# Allegro board trx_layout.brd (continued)
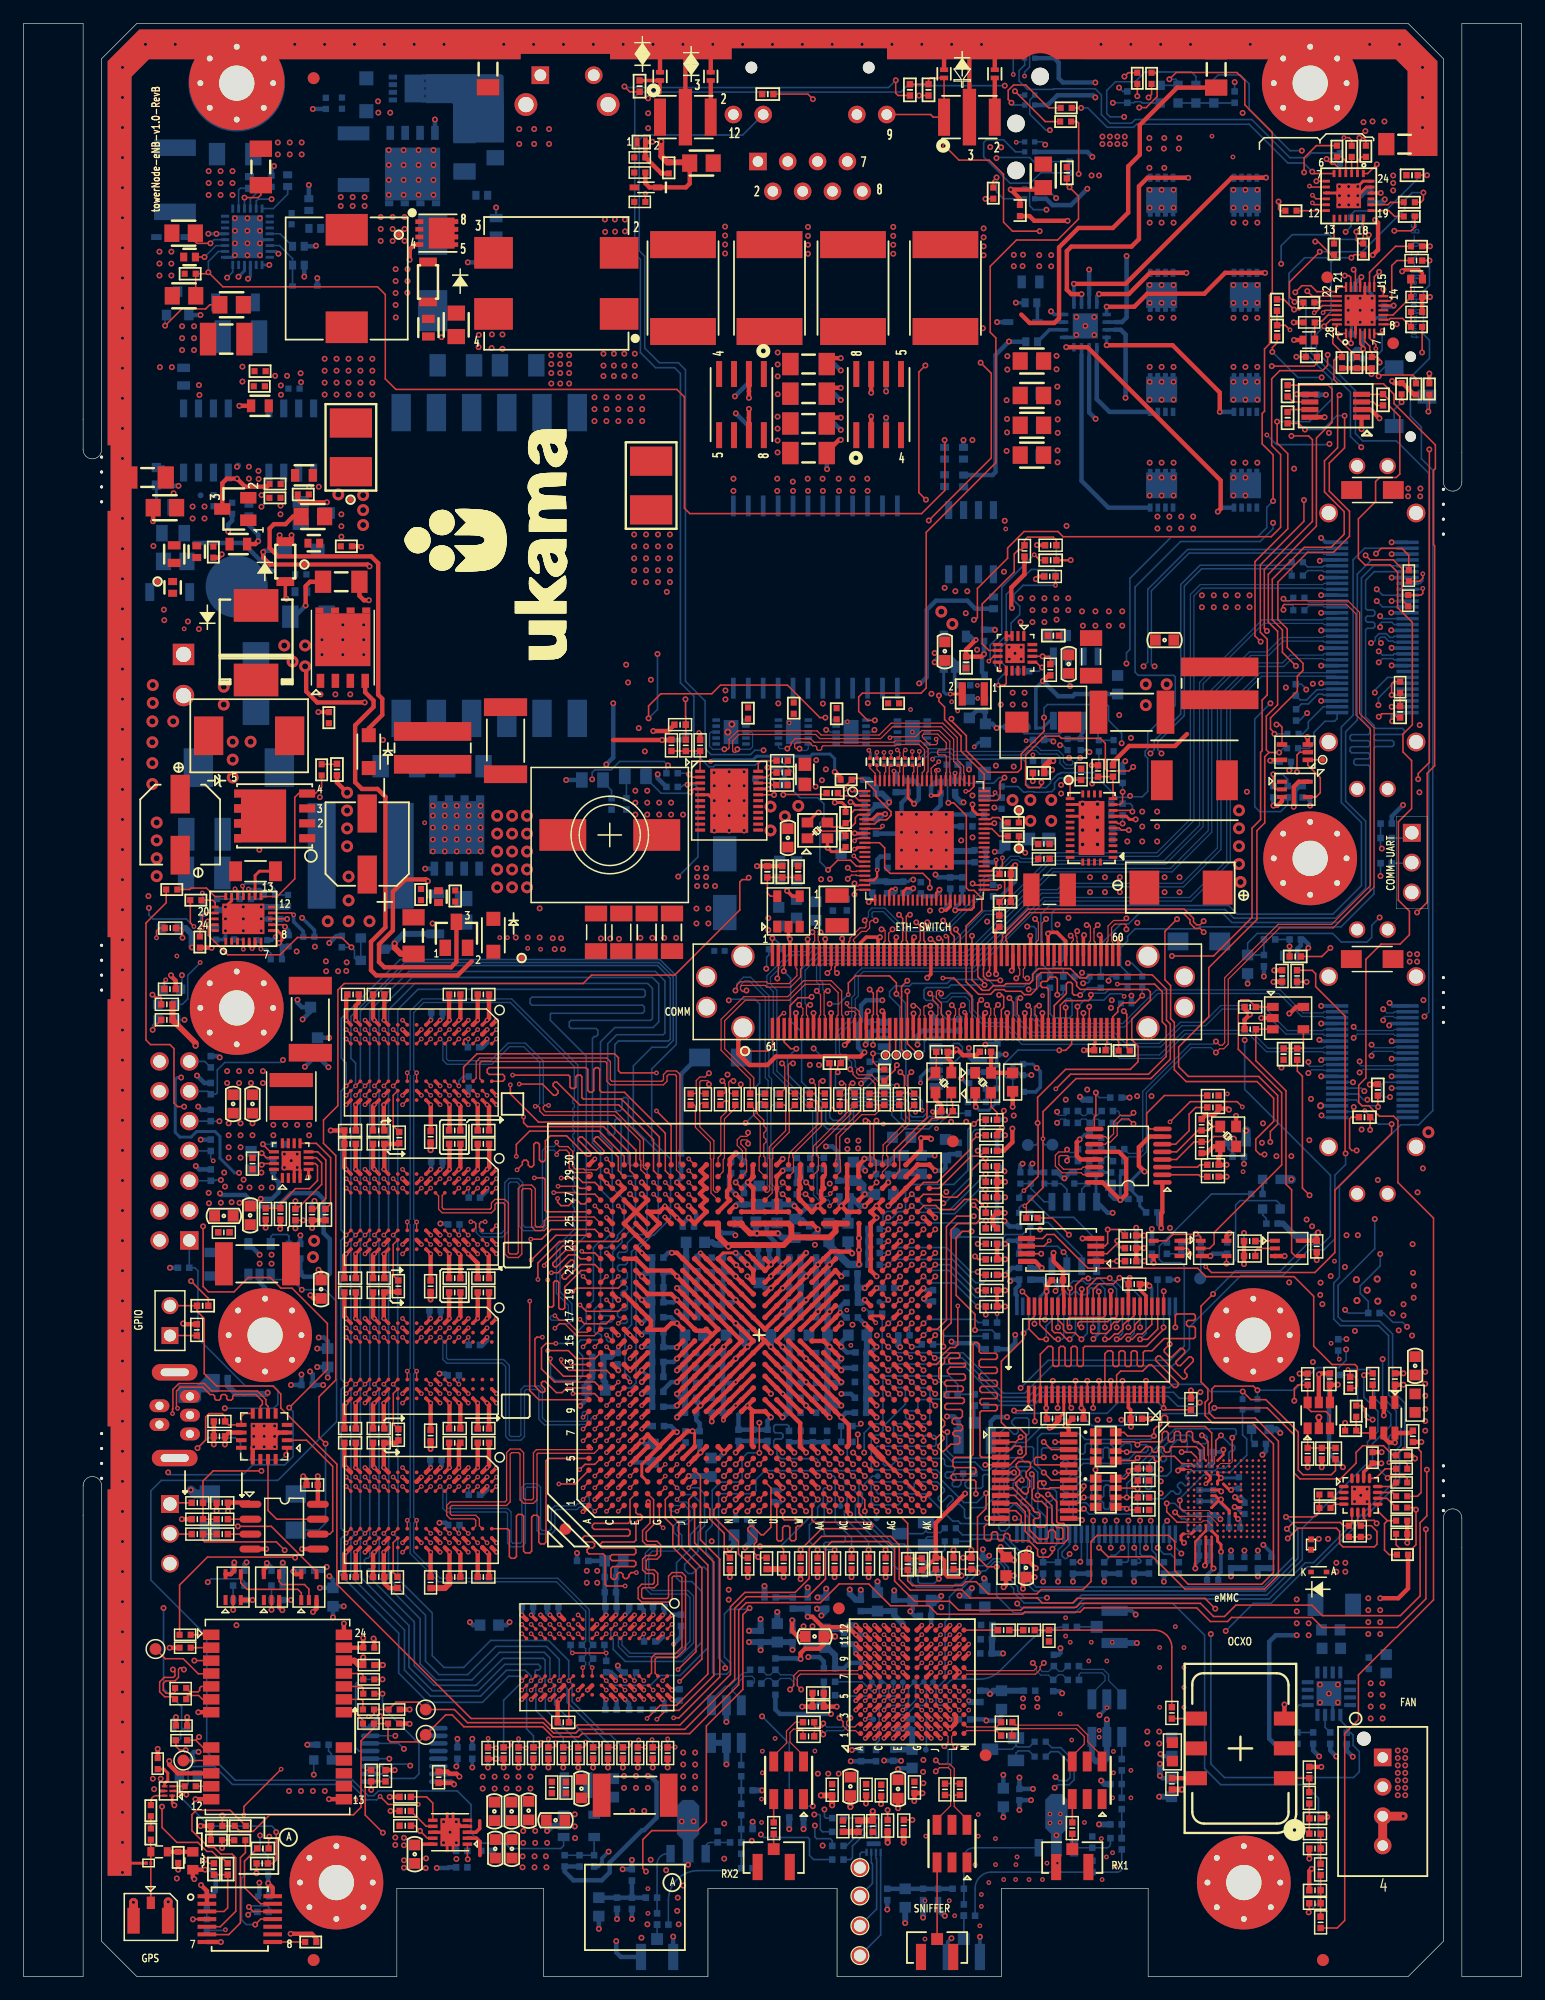
[diagram p0: board, top side]
## Routing (per net, layer and track width the routed paths; a pad name or vN(x,y) marks a point on that pad's centre or on a via; arc(x,y) is an arc through that point) (continued)
7130_DDR3_A7: length 162.6
  TOP w0.137: U35.R2 v2(43.24,29.98) ; v2(44.66,53.29) 46.41,53.29 47.09,52.61 48.67,52.61 U1.B14 ; U15.R2 v2(28.29,67.93) ; U30.R2 v2(28.29,42.53) ; U11.R2 v2(28.29,80.63) ; U23.R2 v2(28.29,55.23)
  L3-SIGNAL w0.127: v2(42.17,20.25) 42.83,20.91 42.83,29.57 v2(43.24,29.98) 42.83,30.4 42.83,31.22 42.58,31.47 30.13,31.47 27.91,33.69 27.91,42.15 v2(28.29,42.53) 27.87,42.95 27.87,54.81 v2(28.29,55.23) 27.87,55.65 27.87,67.51 v2(28.29,67.93) 27.87,68.35 27.87,80.21 v2(28.29,80.63) 27.87,81.05 27.87,82.22 31.61,85.96 49.98,85.96 51.48,84.46 51.48,84.28 51.28,84.08 51.1,84.08 50.02,85.15 49.81,85.15 49.66,85.01 49.66,84.75 55.32,79.1 55.32,71.82 57.16,69.98 57.16,64.34 56.48,63.67 53.97,63.67 52.13,61.83 52.13,52.29 51.95,52.11 50.43,52.11 49.98,51.67 46.05,51.67 45.41,52.3 45.41,53.04 45.16,53.29 v2(44.66,53.29)
  BOTTOM w0.127: R462.1 v2(42.17,20.25)
7130_DDR3_A8: length 157.5
  TOP w0.119: R217.1 41.41,19.51 41.53,19.63 v2(41.53,19.91)
  TOP w0.137: U30.T8 v2(27.49,36.93) ; U35.T8 v2(42.44,24.38) ; U1.A15 v2(47.67,53.61) ; U23.T8 v2(27.49,49.63) ; U15.T8 v2(27.49,62.33) ; U11.T8 v2(27.49,75.03)
  L6-SIGNAL w0.127: v2(47.67,53.61) 48.78,54.72 48.78,59.77 47.06,61.48 47.06,61.91 47.36,62.21 48.01,62.21 49.08,61.14 57.89,61.14 58.38,61.62 58.38,62.44 59.9,63.96 59.9,72.19 58.52,73.57 55.39,73.57 42.69,86.27 31.19,86.27 27.08,82.17 27.08,80.48 27.33,80.24 27.62,80.24 27.87,79.99 27.87,77.4 27.08,76.61 27.08,75.44 v2(27.49,75.03) 27.06,74.6 27.06,67.77 27.29,67.54 27.62,67.54 27.9,67.26 27.9,64.87 27.06,64.04 27.06,62.76 v2(27.49,62.33) 27.06,61.9 27.06,55.04 27.29,54.82 27.67,54.82 27.9,54.59 27.9,52.53 27.06,51.69 27.06,50.06 v2(27.49,49.63) 27.06,49.2 27.06,42.37 27.29,42.14 27.67,42.14 27.87,41.94 27.87,40.62 27.08,39.83 27.08,37.34 v2(27.49,36.93) 27.11,36.55 27.11,35.87 33.38,29.59 42.6,29.59 42.83,29.36 42.83,26.62 42.04,25.83 42.04,24.79 v2(42.44,24.38) 41.53,23.47 v2(41.53,19.91)
7130_DDR3_A9: length 162.2
  TOP w0.119: v2(42.81,19.47) 42.77,19.51 R218.1
  TOP w0.137: v2(28.29,67.13) 28.69,66.73 U15.R3 ; U30.R3 28.69,41.33 v2(28.29,41.73) ; v2(45.8,52.53) 45.8,52.26 46.44,51.62 49.67,51.62 U1.C12 ; U11.R3 28.69,79.43 v2(28.29,79.83) ; U23.R3 28.69,54.03 v2(28.29,54.43) ; U35.R3 v2(43.24,29.18)
  L6-SIGNAL w0.127: v2(42.81,19.47) 42.81,23.07 42.86,23.12 42.86,25.94 43.24,26.33 v2(43.24,29.18) 43.24,29.41 42.83,29.82 42.83,31.22 42.58,31.47 32.27,31.47 27.9,35.84 27.9,38.97 28.29,39.36 v2(28.29,41.73) 28.29,41.99 27.87,42.41 27.87,50.99 28.29,51.41 v2(28.29,54.43) 28.29,54.7 27.87,55.12 27.87,63.62 28.29,64.04 v2(28.29,67.13) 28.29,67.39 27.9,67.78 27.9,76.21 28.29,76.61 v2(28.29,79.83) 28.29,80.05 27.9,80.44 27.9,82.4 31.26,85.77 42.59,85.77 53.45,74.91 53.45,74.73 53.32,74.6 53.14,74.6 51.95,75.8 51.77,75.8 51.65,75.67 51.65,75.49 52.95,74.19 54.17,74.19 55.29,73.07 58.49,73.07 59.6,71.96 59.6,64.19 57.54,62.13 48.62,62.13 48.24,62.51 47.18,62.51 46.72,62.05 46.72,61.29 48.39,59.62 48.39,55.12 v2(45.8,52.53)
7130_DDR3_A10: length 159.5
  TOP w0.137: U23.L7 v2(31.49,50.43) ; U35.L7 v2(46.44,25.18) ; U11.L7 v2(31.49,75.83) ; v2(31.49,63.13) U15.L7 ; U30.L7 v2(31.49,37.73) ; U1.A20 v2(47.67,59.61)
  BOTTOM w0.137: v2(47.67,59.61) 46.95,60.34 46.95,62.13 47.94,63.12 47.94,78.36 44.88,81.41 44.88,81.94 44.97,82.02 52.74,82.02 52.89,82.17 52.89,82.55 52.74,82.7 43.31,82.7 43.16,82.86 43.16,83.24 43.31,83.39 52.81,83.39 52.97,83.54 52.97,83.9 52.81,84.05 33.6,84.05 31.88,82.34 31.88,76.22 v2(31.49,75.83) 31.88,75.44 31.88,63.51 v2(31.49,63.13) 31.87,62.75 31.87,50.81 v2(31.49,50.43) 31.9,50.02 31.9,38.14 v2(31.49,37.73) 31.88,37.33 31.88,33.89 34.82,30.95 34.82,27.32 35.82,26.32 37.5,26.32 39.8,28.62 44.72,28.62 46.44,26.9 v2(46.44,25.18) 46.74,24.89 46.74,23.42 49.53,20.62 49.94,20.62 R455.1
7130_DDR3_A11: length 150.4
  TOP w0.137: v2(28.29,63.13) U15.R7 ; U11.R7 v2(28.29,75.83) ; U35.R7 v2(43.24,25.19) ; U1.D12 v2(51.67,50.61) ; U30.R7 v2(28.29,37.73) ; U23.R7 v2(28.29,50.43)
  BOTTOM w0.137: R461.1 43.44,20.49 42.86,21.1 42.86,24.8 42.97,24.91 v2(43.24,25.19) 43.24,25.57 42.74,26.08 41.14,26.08 38.95,23.88 34.67,23.88 32.46,26.09 32.46,29.5 27.89,34.07 27.89,37.32 28.05,37.49 v2(28.29,37.73) 27.9,38.12 27.9,50.03 v2(28.29,50.43) 27.89,50.83 27.89,62.73 v2(28.29,63.13) 27.88,63.54 27.88,75.42 v2(28.29,75.83) 28.29,77.78 27.89,78.18 27.89,81.75 32.48,86.34 54.11,86.34 55.35,85.1 55.35,79.7 54.77,79.12 53.53,79.12 51.95,77.54 51.95,72.29 54.07,70.17 54.07,64 51.8,61.72 51.8,55.5 51.23,54.94 51.23,51.41 51.67,50.98 v2(51.67,50.61)
7130_DDR3_A12: length 158.9
  TOP w0.137: U35.N7 v2(44.84,25.19) ; v2(29.89,63.13) U15.N7 ; U23.N7 v2(29.89,50.43) ; U11.N7 v2(29.89,75.83) ; v2(44.89,52.61) 44.89,52.22 46,51.11 U1.A12 ; U30.N7 v2(29.89,37.73)
  BOTTOM w0.137: R457.1 48.52,19.88 45.25,23.16 45.25,24.79 v2(44.84,25.19) 44.84,27.12 44.37,27.6 40.55,27.6 38.2,25.25 35.16,25.25 33.79,26.62 33.79,30.46 30.3,33.95 30.3,37.32 v2(29.89,37.73) 30.28,38.12 30.28,50.04 v2(29.89,50.43) 30.28,50.82 30.28,62.74 v2(29.89,63.13) 30.29,63.52 30.29,75.43 v2(29.89,75.83) 30.28,76.22 30.28,82.26 33.09,85.07 53.58,85.07 54.11,84.53 54.11,81.28 53.63,80.8 50.38,80.8 49.16,79.58 49.16,71.58 50.15,70.59 50.15,67.16 51.17,66.14 51.17,63.68 50.6,63.12 50.6,62.89 49.77,62.05 49.31,62.05 49.16,61.9 49.16,57.33 48.62,56.8 48.62,54.89 48.78,54.74 49.08,54.74 49.23,54.59 49.23,54.36 49.08,54.21 47.48,54.21 47.25,53.98 47.25,53.22 47.63,52.83 47.63,51.16 47.23,50.75 45.28,50.75 44.89,51.15 v2(44.89,52.61)
7130_DDR3_A13: length 153.6
  TOP w0.119: v2(40.27,19.47) 40.23,19.51 R216.1
  TOP w0.137: v2(27.49,54.43) 27.89,54.03 U23.T3 ; U15.T3 27.89,66.73 v2(27.49,67.13) ; v2(47.56,61.75) 47.69,61.61 48.67,61.61 U1.B22 ; v2(27.49,41.73) 27.89,41.33 U30.T3 ; U35.T3 v2(42.44,29.18) ; U11.T3 27.89,79.43 v2(27.49,79.83)
  L6-SIGNAL w0.127: v2(47.56,61.75) 48.65,60.66 49.23,60.66 49.36,60.53 49.36,60.27 49.49,60.15 49.74,60.15 49.87,60.27 49.87,60.53 50,60.66 50.25,60.66 50.38,60.53 50.38,60.27 50.5,60.15 50.76,60.15 50.89,60.27 50.89,60.53 51.01,60.66 51.24,60.66 51.39,60.5 51.39,60.26 51.54,60.11 53.28,60.11 53.79,60.62 58.24,60.62 58.94,61.32 58.94,62.38 61.2,64.65 61.2,72.36 59.47,74.08 55.42,74.08 42.72,86.78 31,86.78 26.61,82.4 26.61,80.13 26.92,79.83 v2(27.49,79.83) 27.33,79.67 27.33,77.47 26.61,76.75 26.61,67.6 27.09,67.13 v2(27.49,67.13) 27.49,65.43 26.61,64.56 26.61,54.87 27.06,54.43 v2(27.49,54.43) 27.49,52.99 26.72,52.21 26.72,42.07 27.06,41.73 v2(27.49,41.73) 27.49,40.79 26.68,39.98 26.68,35.56 33.06,29.18 v2(42.44,29.18) 42.44,26.84 40.27,24.66 v2(40.27,19.47)
7130_DDR3_A14: length 152.4
  TOP w0.137: U30.T7 v2(27.49,37.73) ; v2(27.49,63.13) U15.T7 ; U35.T7 v2(42.44,25.18) ; U11.T7 v2(27.49,75.83) ; U23.T7 v2(27.49,50.43) ; v1(50.67,49.61) U1.D11
  BOTTOM w0.137: v1(50.67,49.61) 51,49.94 51.17,50.12 51.76,50.12 52.18,50.54 52.18,61.75 53.55,63.12 53.68,63.12 55.12,64.56 55.12,69.6 53.52,71.21 53.52,77.28 55.61,79.37 55.61,85.2 54.22,86.59 32.08,86.59 27.08,81.58 27.08,78.19 27.49,77.78 v2(27.49,75.83) 27.05,75.38 27.05,63.57 v2(27.49,63.13) 27.05,62.68 27.05,50.87 v2(27.49,50.43) 27.06,50 27.06,38.16 v2(27.49,37.73) 27.05,37.28 27.05,34.15 31.96,29.24 31.96,25.83 34.45,23.35 39.1,23.35 41.32,25.57 42.32,25.57 42.44,25.44 v2(42.44,25.18) 42.44,25.06 40.9,23.52 R463.1
7130_DDR3_A15: length 159
  TOP w0.137: v2(30.69,63.13) U15.M7 ; U11.M7 v2(30.69,75.83) ; U1.B11 48.66,50.62 45.23,50.62 44.13,51.73 44.13,53.52 44.51,53.9 v2(45.35,53.9) ; U35.M7 v2(45.64,25.19) ; U23.M7 v2(30.69,50.43) ; U30.M7 v2(30.69,37.73)
  BOTTOM w0.137: R456.1 49.79,19.86 46.31,23.34 46.31,24.52 v2(45.64,25.19) 45.64,27.01 44.55,28.11 40.24,28.11 37.84,25.71 35.39,25.71 34.25,26.85 34.25,30.76 31.1,33.91 31.1,37.32 v2(30.69,37.73) 31.11,38.15 31.11,50.01 v2(30.69,50.43) 31.11,50.85 31.11,53.89 31.1,53.9 31.1,62.72 v2(30.69,63.13) 31.1,63.53 31.1,75.42 v2(30.69,75.83) 31.1,76.23 31.1,82.31 33.35,84.56 53.17,84.56 53.58,84.15 53.58,81.56 53.42,81.41 46.64,81.41 46.49,81.26 46.49,80.88 46.64,80.72 48.78,80.72 48.93,80.57 48.93,80.19 48.78,80.04 48.62,80.04 48.47,79.89 48.47,70.97 49.16,70.28 49.16,67.01 50.19,65.97 50.19,63.39 49.39,62.59 49.08,62.59 48.55,62.05 48.55,57.56 47.94,56.95 47.94,55.65 46.18,53.9 v2(45.35,53.9)
7130_DDR3_BA0: length 166.9
  TOP w0.137: U1.B20 v2(49.67,59.61) ; U30.M2 v2(30.69,42.53) ; U15.M2 v2(30.69,67.93) ; U11.M2 v2(30.69,80.63) ; U23.M2 v2(30.69,55.23) ; U35.M2 v2(45.64,29.98)
  L3-SIGNAL w0.127: v2(49.67,59.61) 49.67,60.33 49.91,60.56 50.22,60.56 50.53,60.87 50.53,62.44 53.2,65.1 53.2,67.86 52.59,68.47 52.59,69.95 50.93,71.61 50.93,74.21 47.89,77.25 42.2,82.95 42.2,83.13 42.34,83.26 42.52,83.26 48.53,77.25 51.44,74.34 51.44,71.73 53.16,70.02 53.16,68.77 53.28,68.65 53.54,68.65 53.67,68.77 53.67,70.21 51.89,71.99 51.89,74.53 42.62,83.8 32.27,83.8 31.07,82.6 31.07,81.01 v2(30.69,80.63) 31.08,80.23 31.08,68.32 v2(30.69,67.93) 31.1,67.52 31.1,55.63 v2(30.69,55.23) 31.07,54.85 31.07,42.91 v2(30.69,42.53) 31.11,42.11 31.11,34.72 32.33,33.51 43.63,33.51 46.03,31.1 46.03,30.37 v2(45.64,29.98) U35.M2 46.05,23.17 47.93,21.29 48.69,21.29 49.51,20.47 52.07,20.47 v2(52.4,20.14)
  BOTTOM w0.127: v2(52.4,20.14) 52.33,20.07 R454.1
7130_DDR3_BA1: length 158.9
  TOP w0.119: R222.1 47.73,19.51 47.88,19.66 v2(47.88,19.96)
  TOP w0.137: U30.N8 v2(29.89,36.93) ; U35.N8 v2(44.84,24.38) ; U11.N8 v2(29.89,75.03) ; U23.N8 v2(29.89,49.63) ; U1.C20 v2(50.67,59.61) ; U15.N8 v2(29.89,62.33)
  L3-SIGNAL w0.127: v2(50.67,59.61) 50.67,58.5 50.8,58.37 51.06,58.37 51.19,58.5 51.19,61.95 54.34,65.1 54.95,65.1 55.18,65.33 55.18,70.28 52.78,72.68 52.78,75.01 50.09,77.7 50.09,78 50.27,78.18 50.45,78.18 51.39,77.25 51.59,77.04 52.24,76.39 52.42,76.39 52.69,76.66 52.69,76.84 52.28,77.25 45.83,83.7 45.83,83.88 46.03,84.08 46.27,84.08 52.28,78.1 52.53,78.09 52.72,78.28 52.72,78.46 46.36,84.81 31.83,84.81 29.5,82.48 29.5,75.42 v2(29.89,75.03) 29.52,74.66 29.52,62.7 v2(29.89,62.33) 29.48,61.92 29.48,50.04 v2(29.89,49.63) 29.52,49.26 29.52,37.3 v2(29.89,36.93) 29.51,36.55 29.51,34.29 31.31,32.49 43.14,32.49 44.46,31.17 44.46,24.77 v2(44.84,24.38) 44.46,24 44.46,22.86 47.36,19.96 v2(47.88,19.96)
7130_DDR3_BA2: length 163.3
  TOP w0.119: v2(49.15,19.86) 49.15,19.63 49.03,19.51 R223.1
  TOP w0.137: v2(30.69,41.73) 31.09,41.33 U30.M3 ; U1.A11 46.27,50.11 45.87,49.72 45.4,49.72 44.44,50.67 44.23,50.67 44.12,50.56 44.12,50.35 44.41,50.06 44.41,49.84 44.31,49.74 44.09,49.74 43.57,50.26 43.57,54.28 43.72,54.43 v2(44.2,54.43) ; v2(30.69,79.83) 31.09,79.43 U11.M3 ; v2(30.69,67.13) 31.09,66.73 U15.M3 ; v2(30.69,54.43) 31.09,54.03 U23.M3 ; U35.M3 v2(45.64,29.18)
  L6-SIGNAL w0.127: v2(49.15,19.86) 46.05,22.97 46.05,25.74 45.64,26.14 v2(45.64,29.18) 46.03,29.57 46.03,32.05 44.57,33.51 33.47,33.51 31.1,35.87 31.1,41.32 v2(30.69,41.73) 31.1,42.13 31.1,54.02 v2(30.69,54.43) 31.11,54.85 31.11,66.71 v2(30.69,67.13) 31.11,67.55 31.11,79.41 v2(30.69,79.83) 31.11,80.25 31.11,82.2 32.65,83.73 41.42,83.73 53.58,71.58 57.84,71.58 58.38,71.05 58.38,64.95 57.23,63.81 50.92,63.81 50.62,64.11 46.55,64.11 45.42,62.98 45.42,57.06 45.3,56.94 45.16,56.94 45.03,57.06 45.03,58.4 44.9,58.52 44.78,58.52 44.65,58.4 44.65,54.9 44.78,54.78 46.05,54.78 46.43,55.16 46.61,55.16 46.72,55.06 46.72,54.88 46.17,54.33 44.31,54.33 v2(44.2,54.43)
7130_DDR3_CAS: length 165.6
  TOP w0.119: v2(52.97,19.54) 52.94,19.51 R226.1
  TOP w0.137: v2(32.29,41.73) 32.69,41.33 U30.K3 ; v2(32.29,79.83) 32.69,79.43 U11.K3 ; U1.A22 47.44,61.11 47.11,61.45 46.43,61.45 45.4,60.42 45.23,60.42 45.09,60.56 45.09,60.74 46.17,61.83 46.97,61.83 47.1,61.95 47.1,62.07 46.97,62.19 45.92,62.19 44.36,60.63 v2(44.36,60.53) ; U15.K3 32.69,66.73 v2(32.29,67.13) ; U35.K3 v2(47.24,29.18) ; v2(32.29,54.43) 32.69,54.03 U23.K3
  L6-SIGNAL w0.127: v2(44.36,60.53) 44.36,63.06 47.39,66.09 47.63,66.09 47.71,66.02 47.71,65.64 47.78,65.56 48.09,65.56 48.17,65.64 48.17,65.94 48.32,66.09 49.92,66.09 50.15,65.86 50.15,65.48 50.53,65.1 57.23,65.1 57.77,65.64 57.77,70.51 57.31,70.97 53.27,70.97 41.52,82.72 33.6,82.72 32.84,81.96 32.84,80.37 v2(32.29,79.83) 32.69,79.43 33.01,79.43 33.15,79.28 33.15,77.57 33.03,77.45 32.82,77.45 32.7,77.57 32.7,78.84 32.57,78.97 32.42,78.97 32.29,78.84 32.29,75.77 32.7,75.36 32.7,67.53 v2(32.29,67.13) 32.67,66.75 33.11,66.75 33.23,66.63 33.23,64.85 33.1,64.72 32.9,64.72 32.77,64.85 32.77,66.21 32.65,66.33 32.42,66.33 32.29,66.21 32.29,63.5 32.7,63.1 32.7,54.83 v2(32.29,54.43) 32.68,54.04 33.09,54.04 33.31,53.83 33.31,52.12 33.18,52 32.9,52 32.77,52.12 32.77,53.39 32.65,53.52 32.42,53.52 32.29,53.39 32.29,50.55 32.7,50.14 32.7,42.13 v2(32.29,41.73) 32.77,41.25 33.01,41.25 33.23,41.02 33.23,39.47 33.1,39.35 32.9,39.35 32.77,39.47 32.77,40.74 32.65,40.87 32.42,40.87 32.29,40.74 32.29,37.98 32.96,37.3 32.96,35.65 33.9,34.71 45.11,34.71 47.63,32.18 47.63,29.57 v2(47.24,29.18) 47.24,25.96 47.64,25.56 47.64,22.77 49.86,20.55 52.65,20.55 52.97,20.23 v2(52.97,19.54)
7130_DDR3_CB0: length 29.6
  TOP w0.137: U23.H7 v2(34.69,50.43) ; U1.B8 v2(48.67,46.61)
  L6-SIGNAL w0.127: v2(48.67,46.61) 48.12,47.16 41.13,47.16 41,47.28 41,47.6 41.13,47.73 46.62,47.73 46.74,47.86 46.74,48.11 46.62,48.23 35.21,48.23 35.08,48.36 35.08,50.03 v2(34.69,50.43)
7130_DDR3_CB1: length 29.6
  TOP w0.137: U23.F7 v2(36.29,50.43) ; U1.A8 v2(47.67,46.61)
  L3-SIGNAL w0.114: v2(36.29,50.43) 36.29,52.24 36.42,52.36 41.6,52.36 41.73,52.49 41.73,52.75 41.6,52.87 40.13,52.87 40,53 40,53.25 40.13,53.38 42.11,53.38 42.24,53.25 42.24,49 42.36,48.87 45.73,48.87 45.85,48.75 45.85,46.74 45.98,46.61 46.24,46.61 46.36,46.74 46.36,48.87 46.49,49 46.74,49 46.87,48.87 46.87,46.74 47,46.61 v2(47.67,46.61)
7130_DDR3_CB2: length 29.6
  TOP w0.137: U1.C8 v2(49.67,46.61) ; U23.H8 v2(34.69,49.63)
  L6-SIGNAL w0.127: v2(34.69,49.63) 34.22,49.16 34.22,47.86 34.35,47.73 39.89,47.73 40.01,47.6 40.01,47.28 39.89,47.16 35.31,47.16 35.19,47.03 35.19,46.71 35.31,46.59 46.48,46.59 46.93,46.13 49.19,46.13 v2(49.67,46.61)
7130_DDR3_CB3: length 29.6
  TOP w0.137: U23.F8 v2(36.29,49.63) ; U1.D8 v2(50.67,46.61)
  L6-SIGNAL w0.127: v2(36.29,49.63) 36.66,50 36.66,53.01 36.79,53.14 43.7,53.14 43.82,53.01 43.82,52.66 43.7,52.53 41.13,52.53 41,52.4 41,52.05 41.13,51.92 44.36,51.92 45.65,50.62 50.05,50.62 50.18,50.5 50.18,47.1 v2(50.67,46.61)
7130_DDR3_CB4: length 29.6
  TOP w0.137: U1.B10 48.65,49.63 v2(46.81,49.63) ; v2(34.69,54.43) 34.29,54.03 U23.H3
  L3-SIGNAL w0.127: v2(46.81,49.63) 43.7,49.63 42.74,50.59 42.74,53.63 41.06,55.32 41.06,55.5 41.26,55.7 41.44,55.7 42.27,54.87 42.45,54.87 42.65,55.07 42.65,55.25 41.22,56.68 41.22,57.37 41.09,57.49 40.84,57.49 40.71,57.37 40.71,56.75 40.58,56.62 40.08,56.62 39.89,56.43 39.89,53.89 38.93,52.94 35.38,52.94 34.69,53.62 v2(34.69,54.43)
7130_DDR3_CB5: length 29.6
  TOP w0.137: v2(43.12,57.51) 43.12,49.89 43.9,49.11 U1.A10 ; v2(37.09,54.43) 36.69,54.03 U23.E3
  L3-SIGNAL w0.127: v2(37.09,54.43) 37.5,54.83 37.5,60.07 37.66,60.24 37.92,60.24 38.04,60.11 38.04,59.22 38.17,59.1 38.43,59.1 38.55,59.22 38.55,60.11 38.68,60.24 42.62,60.24 42.74,60.11 42.74,57.64 42.87,57.51 v2(43.12,57.51)
7130_DDR3_CB6: length 29.6
  TOP w0.137: U23.G2 v2(35.49,55.23) ; U1.D10 v2(50.67,48.61)
  L3-SIGNAL w0.127: v2(35.49,55.23) 35.08,54.82 35.08,54.05 35.69,53.44 38.49,53.44 38.81,53.76 38.81,55.22 39.07,55.49 39.07,57.46 39.7,58.08 41.3,58.08 41.73,57.65 41.73,57 43.25,55.48 43.25,51.16 43.89,50.52 46.82,50.52 49.23,48.11 50.17,48.11 v2(50.67,48.61)
7130_DDR3_CB7: length 29.6
  TOP w0.137: U1.C10 v2(49.67,48.61) ; U23.F2 v2(36.29,55.23)
  L3-SIGNAL w0.127: v2(36.29,55.23) 36.69,54.83 36.69,54.07 36.81,53.94 38.17,53.94 38.3,54.07 38.3,58.46 38.43,58.59 39.19,58.59 39.31,58.71 39.31,59.6 39.44,59.73 42.11,59.73 42.24,59.6 42.24,57.19 43.76,55.67 43.76,51.41 44.14,51.03 47.25,51.03 v2(49.67,48.61)
7130_DDR3_CBS0N: length 29.6
  TOP w0.114: U23.G3 35.09,54.03 v2(35.49,54.43) ; U1.B9 v2(48.67,47.61)
  BOTTOM w0.114: v2(35.49,54.43) 35.73,54.19 35.73,52.54 36.04,52.22 40.77,52.22 41.08,51.92 41.08,45.98 41.38,45.67 42.37,45.67 42.68,45.98 42.68,49.85 42.81,49.98 43.77,49.98 43.9,49.85 43.9,47.45 44.38,46.97 47.37,46.97 47.41,47.01 48.06,47.01 48.36,47.31 48.36,47.5 48.47,47.61 v2(48.67,47.61)
7130_DDR3_CBS0P: length 29.6
  TOP w0.114: U1.A9 v2(47.67,47.61) ; v2(36.29,54.43) 35.89,54.03 U23.F3
  BOTTOM w0.114: v2(36.29,54.43) 36.03,54.17 36.03,52.66 36.16,52.53 40.9,52.53 41.38,52.05 41.38,46.1 41.51,45.98 42.25,45.98 42.37,46.1 42.37,49.98 42.68,50.28 43.9,50.28 44.2,49.98 44.2,47.58 44.51,47.27 47.89,47.27 48.05,47.44 48.05,47.92 47.87,48.1 47.71,48.1 47.62,48.01 47.62,47.66 v2(47.67,47.61)
7130_DDR3_CKE0: length 162.2
  TOP w0.137: v2(32.29,74.23) U11.K9 ; v2(46.64,52.22) 46.75,52.11 U1.A13 ; U23.K9 v2(32.29,48.83) ; v2(32.29,61.53) U15.K9 ; U35.K9 v2(47.24,23.58) ; U30.K9 v2(32.29,36.13)
  L3-SIGNAL w0.127: v2(54.87,20.23) 54.07,21.03 49.8,21.03 v2(47.24,23.58) 47.63,23.97 47.63,25.02 47.25,25.4 47.25,26.65 47.95,27.35 47.95,30.04 47.63,30.36 47.09,30.36 46.87,30.58 46.87,31.6 43.95,34.52 33.18,34.52 32.29,35.41 v2(32.29,36.13) 32.77,36.61 32.77,37.32 33.92,38.46 33.92,40.93 33.15,41.7 33.15,42.71 32.94,42.93 32.01,42.93 31.86,43.08 31.86,48.4 v2(32.29,48.83) 32.77,49.31 32.77,50.17 32.24,50.7 32.24,53.29 32.7,53.75 32.7,55.5 32.54,55.65 32.01,55.65 31.86,55.81 31.86,61.1 v2(32.29,61.53) 32.77,62.01 32.77,63.05 31.86,63.96 31.86,65.33 32.7,66.17 32.7,68.21 32.57,68.33 32.06,68.33 31.86,68.53 31.86,69.78 32.29,70.21 v2(32.29,74.23) 32.93,74.86 32.93,75.31 32.24,76 32.24,78.82 32.77,79.35 32.77,80.8 32.54,81.03 32.09,81.03 31.86,81.26 31.86,82.1 32.54,82.78 40.85,82.78 45.55,78.08 45.55,77.9 45.4,77.76 45.23,77.76 41.72,81.26 41.54,81.26 41.4,81.12 41.4,80.94 45.03,77.32 45.03,75.99 51.7,69.32 51.7,68.49 51.57,68.37 51.32,68.37 51.19,68.49 51.19,69 51.06,69.13 50.81,69.13 50.68,69 50.68,68.24 51.14,67.78 51.14,66.4 51.57,65.97 51.57,64.47 48.46,61.36 48.46,59.18 47.89,58.61 47.89,55.59 47.71,55.41 45.98,55.41 45.85,55.29 45.85,55.1 45.98,54.97 47.44,54.97 47.57,54.84 47.57,54.65 47.44,54.52 45.98,54.52 45.85,54.4 45.85,54.21 45.98,54.08 47.12,54.08 47.25,53.95 47.25,53.7 47.12,53.57 45.98,53.57 45.85,53.44 45.85,53.19 45.98,53.06 47.44,53.06 47.57,52.94 47.57,52.75 47.44,52.62 46.77,52.62 46.64,52.49 v2(46.64,52.22)
  BOTTOM w0.127: R452.1 v2(54.87,20.23)
7130_DDR3_CLK0N: length 119.3
  TOP w0.114: U30.K7 v2(32.69,38.85) ; U23.K7 v2(32.69,51.55) ; U15.K7 v2(32.69,64.25) ; U35.K7 v2(47.64,26.3) ; v2(45.27,55.2) 45.65,55.58 46.11,55.58 47.13,54.56 48.62,54.56 U1.B16 ; v2(32.69,76.95) U11.K7
  BOTTOM w0.114: v2(47.64,26.3) 47.89,26.55 47.89,26.74 C419.2 47.89,27.39 47.89,27.91 R442.1 47.89,28.56 47.89,31.11 45.4,33.6 35.37,33.6 32.94,36.03 32.94,38.6 v2(32.69,38.85) 32.94,39.09 32.94,51.3 v2(32.69,51.55) 32.94,51.79 32.94,64 v2(32.69,64.25) 32.94,64.49 32.94,76.7 v2(32.69,76.95) 32.94,77.19 32.94,82.2 33.97,83.24 41.59,83.24 47.23,77.6 47.23,63.5 45.71,61.98 45.71,58.29 46.72,57.28 46.72,55.88 46.42,55.58 45.65,55.58 v2(45.27,55.2)
7130_DDR3_CLK0P: length 119.2
  TOP w0.114: U30.J7 v2(33.49,38.85) ; v2(33.49,76.95) U11.J7 ; U23.J7 v2(33.49,51.55) ; U35.J7 v2(48.44,26.3) ; v2(45.27,56.26) 45.65,55.88 46.23,55.88 47.25,54.86 48.03,54.86 48.17,55.01 U1.A16 ; v2(33.49,64.25) U15.J7
  BOTTOM w0.114: v2(45.27,56.26) 44.97,56.26 44.88,56.17 44.88,56 45,55.88 46.29,55.88 46.42,56.01 46.42,57.15 45.4,58.17 45.4,62.1 46.93,63.63 46.93,63.95 46.8,64.08 46.8,64.32 46.93,64.45 46.93,64.69 46.8,64.82 46.8,65.06 46.93,65.18 46.93,65.43 46.8,65.55 46.8,65.79 46.93,65.92 46.93,66.16 46.8,66.29 46.8,66.53 46.93,66.66 46.93,66.9 46.8,67.03 46.8,67.27 46.93,67.39 46.93,67.64 46.8,67.76 46.8,68 46.93,68.13 46.93,68.37 46.8,68.5 46.8,68.74 46.93,68.87 46.93,69.11 46.8,69.24 46.8,69.48 46.93,69.6 46.93,69.85 46.8,69.97 46.8,70.21 46.93,70.34 46.93,70.58 46.8,70.71 46.8,70.95 46.93,71.08 46.93,71.32 46.8,71.45 46.8,71.69 46.93,71.81 46.93,72.06 46.8,72.18 46.8,72.42 46.93,72.55 46.93,72.79 46.8,72.92 46.8,73.16 46.93,73.29 46.93,73.53 46.8,73.66 46.8,73.9 46.93,74.02 46.93,74.26 46.8,74.39 46.8,74.63 46.93,74.76 46.93,77.47 41.46,82.93 34.1,82.93 33.24,82.08 33.24,77.19 v2(33.49,76.95) 33.24,76.7 33.24,64.49 v2(33.49,64.25) 33.24,64 33.24,51.79 v2(33.49,51.55) 33.24,51.3 33.24,39.09 v2(33.49,38.85) 33.24,38.6 33.24,36.16 35.5,33.91 45.53,33.91 48.2,31.24 48.2,28.56 R441.1 48.2,27.91 48.2,27.39 C419.1 48.2,26.74 48.2,26.55 v2(48.44,26.3)
7130_DDR3_CS0: length 167.6
  TOP w0.137: U15.L2 v2(31.49,67.93) ; U30.L2 v2(31.49,42.53) ; v2(49.67,57.61) U1.C18 ; U11.L2 v2(31.49,80.63) ; U23.L2 v2(31.49,55.23) ; U35.L2 v2(46.44,29.98)
  L3-SIGNAL w0.127: v2(49.67,57.61) 48.9,57.61 48.65,57.36 48.65,55.29 48.52,55.16 48.33,55.16 48.2,55.29 48.2,58.14 48.33,58.27 49.6,58.27 49.73,58.4 49.73,58.59 49.6,58.71 48.9,58.71 48.78,58.84 48.78,60.87 48.9,61 50.02,61 50.15,61.13 50.15,62.59 52.13,64.57 52.13,69.71 45.56,76.28 45.56,76.46 45.73,76.63 45.91,76.63 50.17,72.37 50.35,72.37 50.5,72.52 50.5,72.7 46.16,77.04 45.88,77.32 45.88,77.5 46.02,77.64 46.2,77.64 46.79,77.04 49.98,73.85 50.16,73.85 50.3,73.99 50.3,74.17 47.43,77.04 47.22,77.25 41.18,83.29 32.37,83.29 31.4,82.32 31.4,80.72 v2(31.49,80.63) 31.9,80.22 31.9,75.47 31.49,75.06 v2(31.49,67.93) 31.87,67.55 31.87,66.86 31.48,66.46 31.48,63.76 31.87,63.36 31.87,62.86 31.49,62.48 v2(31.49,55.23) 31.87,54.85 31.87,50.1 31.49,49.72 v2(31.49,42.53) 31.89,42.13 31.89,41 32.01,40.87 33.22,40.87 33.35,40.74 33.35,40.49 33.22,40.36 31.69,40.36 31.57,40.24 31.57,39.98 31.69,39.86 33.22,39.86 33.35,39.73 33.35,39.47 33.22,39.35 31.69,39.35 31.57,39.22 31.57,38.97 31.69,38.84 32.08,38.84 32.2,38.71 32.2,38.46 32.08,38.33 31.99,38.33 31.87,38.2 31.87,34.92 32.77,34.01 43.82,34.01 46.44,31.39 v2(46.44,29.98) 46.85,29.58 46.85,28.57 47.12,28.3 47.12,27.16 46.85,26.88 46.85,23.13 48.33,21.65 48.73,21.65 49.63,20.75 52.96,20.75 v2(53.55,20.17)
  BOTTOM w0.127: R453.1 53.6,20.11 v2(53.55,20.17)
7130_DDR3_DQ0: length 29.8
  TOP w0.137: v2(53.96,21.9) 54.72,22.66 55.83,22.66 58.81,25.63 58.81,35.28 57.17,36.92 U1.K1 ; U35.H8 v2(49.64,24.38)
  L3-SIGNAL w0.127: v2(49.64,24.38) 50.04,23.99 50.04,23.06 49.86,22.88 49.48,22.88 49.39,22.79 49.39,22.4 50.22,21.56 53.62,21.56 v2(53.96,21.9)
7130_DDR3_DQ1: length 29.8
  TOP w0.137: U1.K2 56.67,40.61 56.67,36.66 58.3,35.03 58.3,25.76 55.63,23.09 54.24,23.09 v2(53.12,21.97) ; U35.F7 v2(51.24,25.18)
  L3-SIGNAL w0.127: v2(53.12,21.97) 50.59,21.97 50.34,22.23 50.34,22.85 50.83,23.35 50.83,24.77 v2(51.24,25.18)
7130_DDR3_DQ2: length 29.2
  TOP w0.137: U1.K3 v2(56.67,41.61) ; U35.H7 v2(49.64,25.19)
  BOTTOM w0.137: v2(56.67,41.61) 57.5,41.61 58.02,41.09 58.02,38.36 57.46,37.81 57.46,36.22 56.32,35.08 56.32,34.62 56.62,34.32 57.01,34.32 57.54,34.85 58,34.85 58.3,34.55 58.3,28 55.94,25.63 54.24,25.63 53.4,24.79 50.04,24.79 v2(49.64,25.19)
7130_DDR3_DQ3: length 29.9
  TOP w0.137: v2(55.38,22.02) 55.84,22.02 59.32,25.5 59.32,35.54 57.67,37.19 57.67,42.62 U1.K4 ; U35.F8 v2(51.24,24.38)
  L3-SIGNAL w0.127: v2(51.24,24.38) 51.65,23.98 51.65,23.4 52.08,22.96 54.44,22.96 v2(55.38,22.02)
7130_DDR3_DQ4: length 29.6
  TOP w0.137: U1.H1 55.17,39.27 55.82,38.62 55.82,36.74 57.79,34.78 57.79,27.03 v2(55.89,25.12) ; U35.H3 v2(49.64,29.18)
  L3-SIGNAL w0.127: v2(49.64,29.18) 49.64,28.81 49.77,28.68 51.32,28.68 51.44,28.55 51.44,28.27 51.32,28.15 50.79,28.15 50.66,28.02 50.66,27.74 50.79,27.61 52.23,27.61 52.36,27.49 52.36,27.21 52.23,27.08 51.57,27.08 51.44,26.95 51.44,26.67 51.57,26.55 52.92,26.55 53.83,25.63 55.38,25.63 v2(55.89,25.12)
7130_DDR3_DQ5: length 29.6
  TOP w0.137: U35.E3 v2(52.04,29.18) ; v2(55.76,26.14) 57.28,27.66 57.28,34.58 55.32,36.55 55.32,38.38 54.67,39.02 54.67,40.61 U1.H2
  L3-SIGNAL w0.127: v2(52.04,29.18) 52.04,28.58 52.17,28.45 54.62,28.45 54.74,28.32 54.74,28.04 54.62,27.92 53.04,27.92 52.92,27.79 52.92,27.54 53.04,27.41 55.57,27.41 55.7,27.28 55.7,27.03 55.57,26.9 54.55,26.9 54.43,26.77 54.43,26.52 54.55,26.39 55.57,26.39 55.7,26.27 55.7,26.2 v2(55.76,26.14)
7130_DDR3_DQ6: length 29
  TOP w0.137: U35.G2 v2(50.44,29.98) ; U1.H3 v2(55.67,41.61)
  BOTTOM w0.137: v2(55.67,41.61) 56.25,41.03 57,41.03 57.66,40.37 57.66,38.49 56.81,37.64 56.81,36.41 55.63,35.23 55.63,33.94 55.94,33.63 56.93,33.63 57.77,32.79 57.77,28.45 56.14,26.82 51.27,26.82 50.24,27.85 50.24,28.72 50.03,28.93 50.03,29.57 v2(50.44,29.98)
7130_DDR3_DQ7: length 29.6
  TOP w0.137: U35.F2 v2(51.24,29.98) ; U1.H4 v2(55.67,43.61)
  L6-SIGNAL w0.127: v2(55.67,43.61) 54.66,44.62 52.27,44.62 52.14,44.49 52.14,35.35 52.27,35.22 52.46,35.22 52.59,35.35 52.59,39.31 52.71,39.44 52.97,39.44 53.09,39.31 53.09,34.33 52.2,33.44 52.2,32.55 51.67,32.02 51.67,30.41 v2(51.24,29.98)
7130_DDR3_DQ8: length 29.6
  TOP w0.127: U1.G1 54.17,38.51 54.47,38.2 v2(54.49,38.2)
  TOP w0.137: U35.D7 v2(52.84,25.19)
  L6-SIGNAL w0.127: v2(54.49,38.2) 54.3,38.39 54.3,40.74 54.17,40.87 53.6,40.87 53.47,41 53.47,41.95 53.35,42.08 53.09,42.08 52.97,41.95 52.97,40.55 53.09,40.43 53.79,40.43 53.92,40.3 53.92,34.01 53.09,33.19 53.09,31.33 53.27,31.16 53.27,26.7 53.14,26.57 53.03,26.57 52.9,26.7 52.9,28.11 52.78,28.23 52.65,28.23 52.52,28.11 52.52,26.21 52.84,25.89 v2(52.84,25.19)